# KiCad board ben-eater-computer.kicad_pcb (continued)
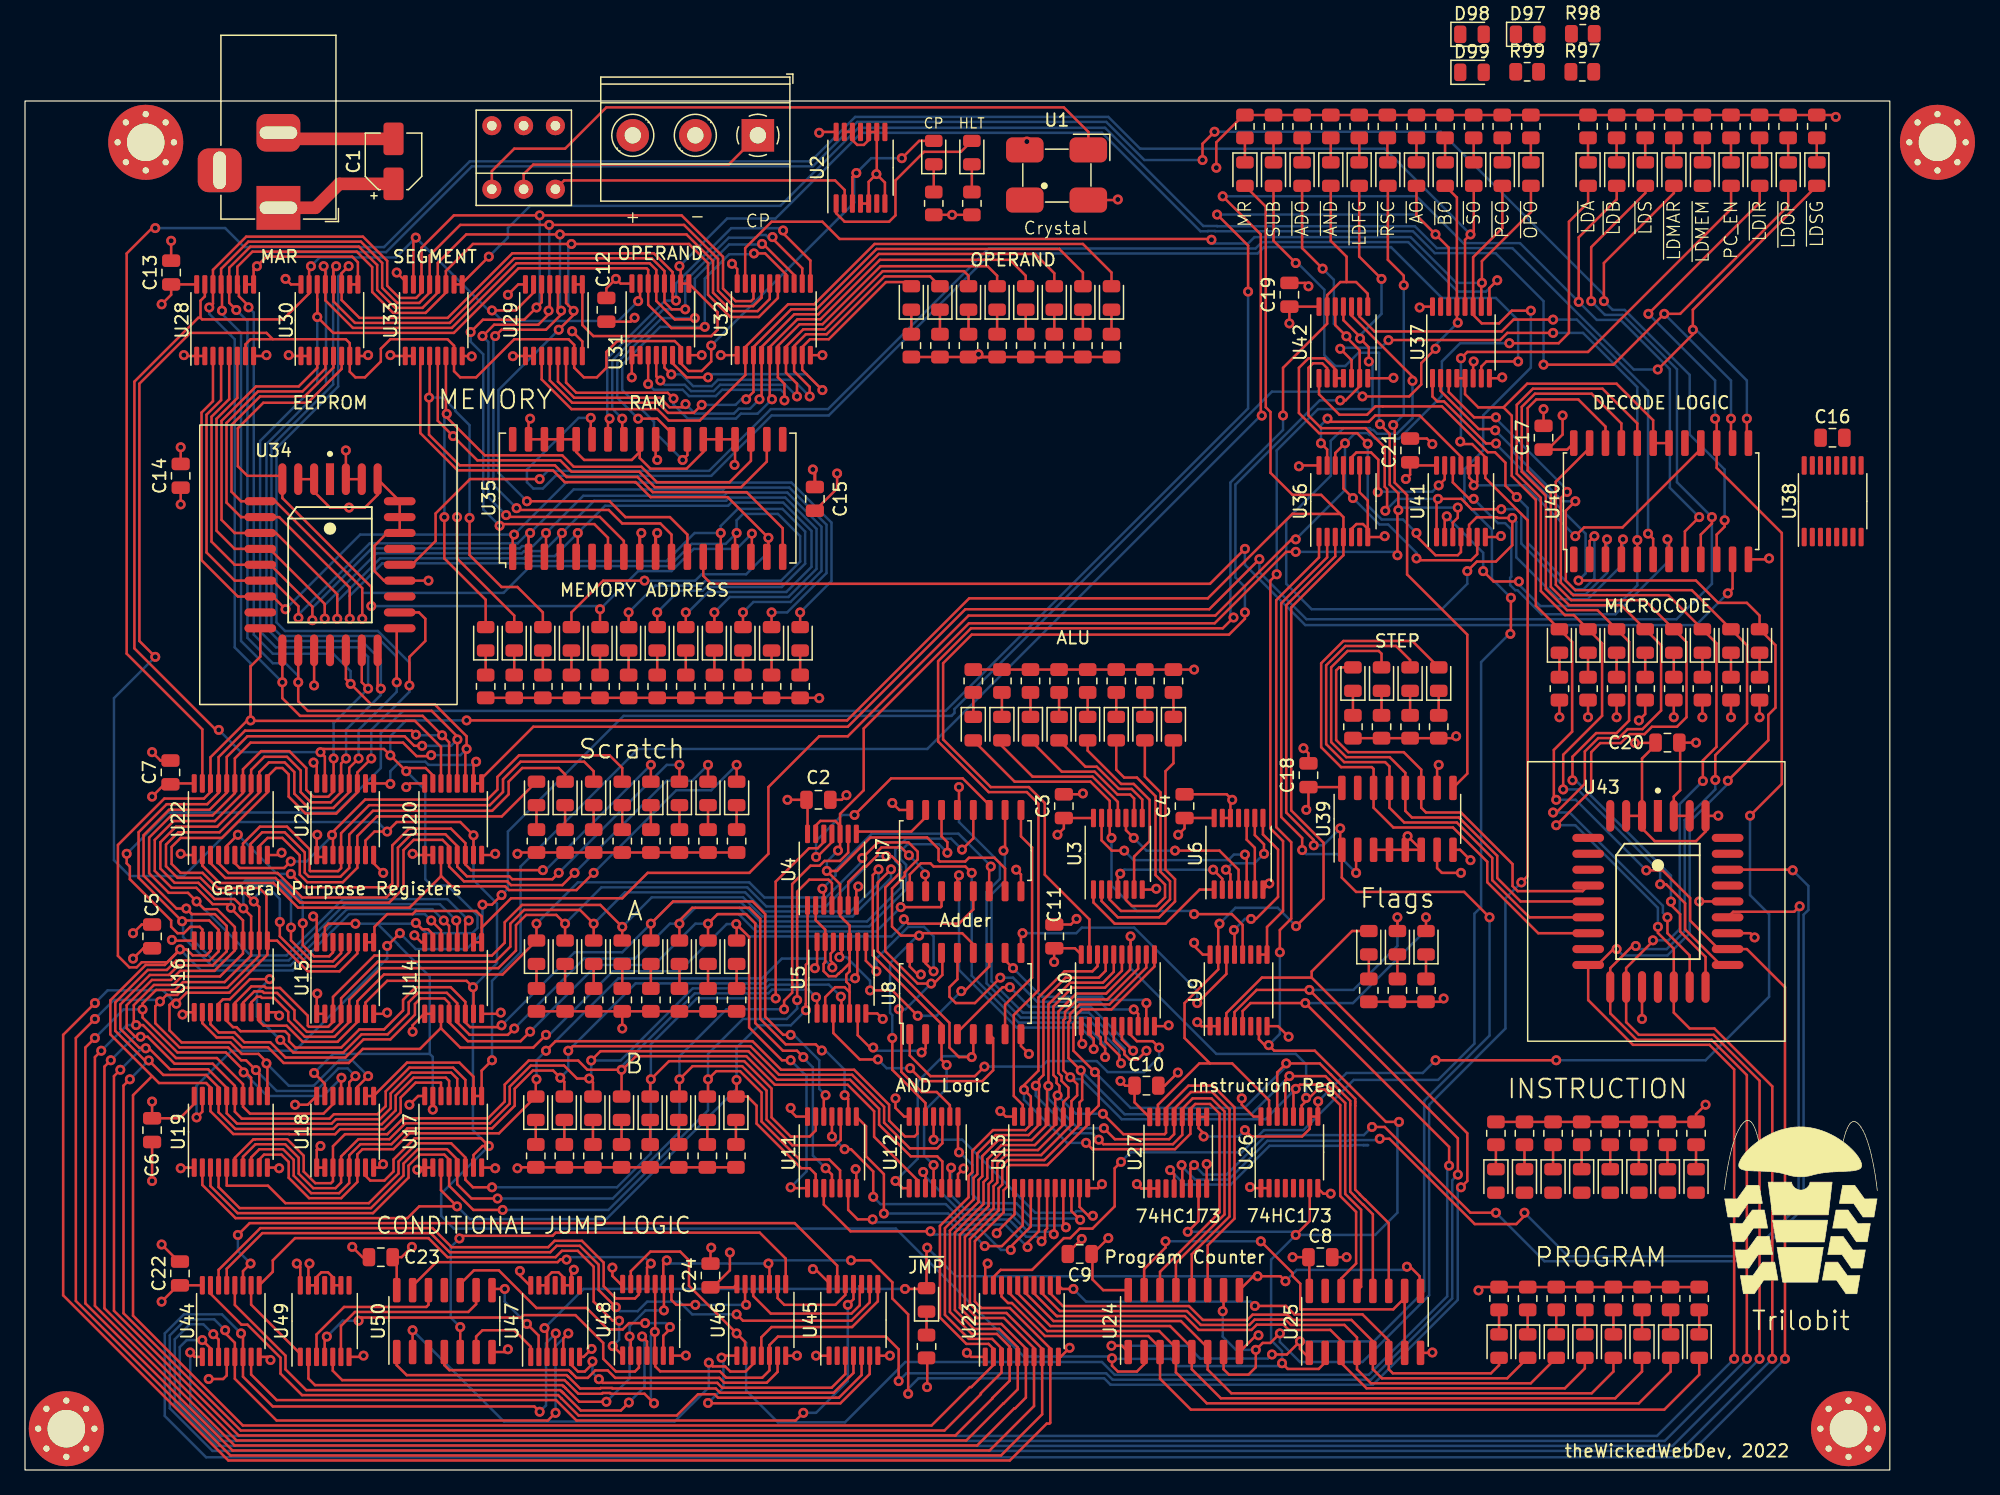
[diagram p0: board, top side]
## Routing (per net, layer and track width the routed paths; a pad name or vN(x,y) marks a point on that pad's centre or on a via; arc(x,y) is an arc through that point) (continued)
/Control Unit/EEPROM6: length 68.4
  Top w0.2: 135.57,40.39 132.73,43.23 132.73,45.32 131.21,46.84 v1(130.74,46.84) ; v1(122.98,54.43) 122.98,57.2 126.09,60.31 126.09,66.11 D101.2 123.84,68.36 123.12,68.36 121.2,70.29 121.2,77.74 119.27,79.67 119.27,85.18 120.56,86.47 126.13,86.47 128.91,83.69 U40.20
  Bottom w0.2: v1(122.98,54.43) 124.14,54.43 130.74,47.83 v1(130.74,46.84)
/Control Unit/STEP0: length 48
  Top w0.2: D77.2 110.92,66.29 105.41,66.29 103.63,64.52 103.63,57.8 105.22,56.21 107.68,56.21 107.82,56.07 U39.14 107.82,52.96 109.4,51.38 114.17,51.38 116.91,48.64 116.91,47 120.99,42.93 U43.11
/Control Unit/STEP1: length 44.4
  Top w0.2: U43.10 120.28,44.2 117.31,47.17 117.31,48.95 114.48,51.78 110.27,51.78 109.09,52.96 109.09,56.26 108.75,56.6 105.47,56.6 104.03,58.04 104.03,64.35 105.58,65.89 109.62,65.89 110.74,64.77 D76.2
/Control Unit/STEP2: length 40.4
  Top w0.2: D75.2 108.46,65.28 108.24,65.49 105.74,65.49 104.43,64.19 104.43,58.21 105.64,57 109.11,57 110.36,55.75 U39.12 110.36,52.71 110.89,52.18 114.64,52.18 117.71,49.11 117.71,47.33 119.58,45.47 U43.9
/Control Unit/STEP3: length 35.2
  Top w0.2: U43.8 124.54,46.29 119.34,46.29 118.93,46.7 118.93,48.45 114.81,52.58 112.01,52.58 111.63,52.96 U39.11 111.63,56.01 110.24,57.4 105.8,57.4 104.83,58.38 104.83,63.94 105.08,64.18 D74.2
/Control Unit/~{_AND}: length 78
  Top w0.2: U40.4 127.63,74.3 v1(127.76,74.42) ; U41.5 115.46,75.58 116.06,76.19 117.69,76.19 117.74,76.13 v1(118.91,76.13) 118.91,73.95 117.6,72.64 116.08,72.64 v1(115.32,71.88) ; v1(110.94,87.1) 110.94,87.44 106.06,92.31 U42.10
  Bottom w0.2: v1(110.94,87.1) 110.94,84.12 109.68,82.87 108.11,82.87 107.81,83.17 107.67,83.17 107.53,83.31 105.41,83.31 104.39,82.3 104.39,79.5 100.84,75.95 100.84,70.87 102.87,68.83 113.28,68.83 115.32,70.87 v1(115.32,71.88) ; v1(127.76,74.42) 127.76,72.45 124.95,69.63 122.59,69.63 119.23,72.99 119.23,75.81 v1(118.91,76.13)
/Control Unit/~{ADD}: length 38.8
  Top w0.2: U40.2 125.09,74.3 v1(125.48,74.68) ; v1(119.27,77.81) 118.36,78.71 118.36,80.55 117.53,81.39 116.95,81.39 113.29,85.05 108.56,85.05 108.55,85.06 107.97,85.06 107.3,84.39 105.09,84.39 103.46,86.02 U42.1
  Bottom w0.2: v1(125.48,74.68) 125.48,71.29 124.61,70.43 123.85,70.43 120.14,74.14 120.14,76.94 v1(119.27,77.81)
/Control Unit/~{CMP}: length 67.8
  Top w0.2: v1(119.44,71.05) 117.41,71.05 v1(116.59,71.88) ; v1(113.67,76.26) 113.51,76.1 U41.2 ; v1(128.91,74.36) 128.91,74.36 U40.5 ; v1(105.16,89.66) 106.06,88.76 U42.5 ; v1(122.17,90.93) 118.52,90.93 117.95,90.36 109.02,90.36 v1(109.01,90.35)
  Bottom w0.2: v1(122.17,90.93) 124.57,90.93 128.91,86.59 v1(128.91,74.36) 128.91,70.75 127.25,69.09 121.16,69.09 119.44,70.8 v1(119.44,71.05) ; v1(109.01,90.35) 108.41,89.75 105.24,89.75 v1(105.16,89.66) ; v1(113.67,76.26) 116.59,73.35 v1(116.59,71.88)
/Control Unit/~{LDA}: length 30.8
  Top w0.2: U40.7 131.44,74.3 v1(131.32,74.42) ; v1(115.82,77.66) 115.47,77.66 114.16,78.98 U41.12
  Bottom w0.2: v1(115.82,77.66) 117.77,75.72 118.34,75.72 118.83,75.22 118.83,71.44 118.74,71.34 118.74,70.76 119.15,70.36 119.33,70.36 121.25,68.43 127.17,68.43 131.32,72.59 v1(131.32,74.42)
/Control Unit/~{RESET_STEP_COUNTER}: length 52
  Top w0.2: v1(109.39,83.57) 109.51,83.45 109.51,78.96 110.5,77.97 110.5,71.62 115.32,66.8 115.32,55.69 U39.9 ; D78.2 108.97,96.77 110.24,95.5 v1(110.24,94.74)
  Bottom w0.2: v1(109.39,83.57) 110.24,84.41 v1(110.24,94.74)
/Control Unit/~{SUB}: length 49.6
  Top w0.2: v1(118.03,76.83) 115.66,76.83 115.25,77.24 115.25,77.25 114.84,77.66 v1(112.97,77.66) 112.86,77.55 U41.1 ; v1(108.76,76.71) 108.9,76.85 108.9,78.43 108.71,78.63 108.71,81.79 107.19,83.31 103.63,83.31 102.62,84.33 102.62,88.14 102.98,88.5 103.72,88.5 104.11,88.11 U42.2 ; U40.3 126.37,74.3 v1(126.49,74.42)
  Bottom w0.2: v1(118.03,76.83) 119.26,76.83 119.63,76.45 119.63,74.08 123.69,70.03 124.78,70.03 126.49,71.74 v1(126.49,74.42) ; v1(112.97,77.66) 109.71,77.66 v1(108.76,76.71)
/Control Unit/~{TEST}: length 40.7
  Top w0.2: v1(129.77,74.88) 130.18,74.47 U40.6 ; U42.9 106.71,92.23 107.89,91.05 118.07,91.05 119.01,91.99 v1(122.17,91.99)
  Bottom w0.2: v1(122.17,91.99) 124.07,91.99 129.77,86.3 v1(129.77,74.88)
/EEPROM0: length 247.8
  Top w0.2: v1(127.25,41.66) 127,41.66 125.73,40.39 ; U43.13 124.98,37.58 128.56,34 134.68,34 136.65,32.03 v1(136.65,8.89) ; v1(124.21,71.13) 133.59,71.13 135.38,69.34 137.67,69.34 138.68,68.33 D107.2 139.95,65.96 139.95,60.96 139.38,60.39 139.38,58.36 v1(136.14,55.12) ; v1(13.21,9.4) 13.56,9.05 U44.1 ; v1(117.61,82.09) 116.82,82.09 113.45,85.45 112.92,85.45 112.53,85.84 U37.1
  Bottom w0.2: v1(124.21,71.13) 124.78,71.7 124.78,74.88 117.61,82.04 v1(117.61,82.09) ; v1(13.21,9.4) 13.21,5.19 15.68,2.72 130.48,2.72 v1(136.65,8.89) ; v1(136.14,55.12) 136.14,54.86 133.1,51.82 133.1,42.93 131.32,41.15 127.76,41.15 v1(127.25,41.66)
/EEPROM1: length 247.8
  Top w0.2: v1(137.67,8.89) 137.67,31.58 134.85,34.4 128.87,34.4 126.75,36.52 U43.14 126.75,40.13 128.52,41.9 v1(128.78,41.9) ; v1(135.15,55.18) 135.15,57.17 137.68,59.71 137.68,65.95 D106.2 133.27,70.36 123.95,70.36 123.19,71.12 123.19,76.71 v1(123.95,77.47) ; v1(117.55,83.14) 117.45,83.24 116.23,83.24 113.18,86.29 U37.2 ; U44.2 14.83,9.73 v1(14.17,10.39)
  Bottom w0.2: v1(137.67,8.89) 131.1,2.32 15.51,2.32 12.37,5.46 12.37,9.83 12.93,10.39 v1(14.17,10.39) ; v1(123.95,77.47) 122.94,77.47 118.95,81.45 118.95,81.73 v1(117.55,83.14) ; v1(135.15,55.18) 135.15,54.43 132.7,51.98 132.7,43.09 131.26,41.66 129.03,41.66 v1(128.78,41.9)
/EEPROM2: length 246.8
  Top w0.2: v1(138.68,8.89) 138.68,31.13 135.01,34.8 129.03,34.8 128.02,35.81 U43.15 128.02,40.15 130.16,42.29 v1(130.16,42.36) ; v1(117.6,84.18) 115.86,84.18 113.83,86.2 U37.3 ; v1(123.29,78.22) 122.79,77.72 122.79,70.95 123.79,69.96 131.39,69.96 D105.2 135.24,66.11 135.24,57.82 134.15,56.74 v1(134.15,55.1) ; v1(15.05,10.86) 15.48,10.44 U44.3
  Bottom w0.2: v1(123.29,78.22) 123.29,78.39 117.6,84.07 v1(117.6,84.18) ; v1(130.16,42.36) 131.4,42.36 132.3,43.26 132.3,53.25 v1(134.15,55.1) ; v1(138.68,8.89) 131.72,1.92 15.35,1.92 11.98,5.3 11.98,10.45 13.17,11.65 14.27,11.65 v1(15.05,10.86)
/EEPROM3: length 282.1
  Top w0.2: v1(42.42,4.57) 41.8,3.96 20.11,3.96 16.78,7.3 U44.5 16.78,10.17 16,10.95 v1(16,11.18) ; v1(43.44,10.92) 43.04,10.52 U47.5 ; v1(139.7,8.89) 139.7,30.68 135.07,35.31 133.1,35.31 131.83,36.58 U43.18 131.83,41.68 130.56,42.95 v1(130.56,43.43) ; 125.09,81.73 122.39,79.03 122.39,70.79 123.62,69.56 129.5,69.56 D104.2 132.84,66.22 132.84,60.2 132.08,59.44 130.08,59.44 129.49,58.84 128.3,58.84 127.58,58.13 125.95,58.13 125.22,57.4 125.22,54.36 v1(122.43,51.56)
  Bottom w0.2: v1(42.42,4.57) 42.42,9.9 v1(43.44,10.92) ; v1(122.43,51.56) 123.95,51.56 130.56,44.95 v1(130.56,43.43) ; v1(139.7,8.89) 132.33,1.52 14.99,1.52 11.58,4.93 11.58,10.76 12.87,12.05 15.13,12.05 v1(16,11.18)
/EEPROM7: length 296.6
  Top w0.2: v1(140.72,8.89) 140.72,38.61 137.67,41.66 U43.22 ; 118.21,84.97 116.19,84.97 115.13,86.04 U37.5 U37.4 ; 118.21,84.97 120.1,86.87 127.25,86.87 130.18,83.95 U40.19 U40.18 ; 118.21,84.97 118.87,84.31 118.87,79.5 120.8,77.58 120.8,69.12 D100.2 123.7,66.22 123.7,59.04 122.24,57.58 122.24,53.79 v1(122.43,53.59) ; v1(42.44,10.92) 42.39,10.87 U47.4 ; v1(129.63,47.95) 130.92,47.95 133.13,45.74 133.13,43.94 135.41,41.66 ; v1(41.15,4.66) 40.73,5.08 19.81,5.08 17.43,7.46 U44.6 17.43,10.77 v1(17.27,10.92)
  Bottom w0.2: v1(140.72,8.89) 132.84,1.02 14.48,1.02 11.18,4.32 11.18,10.92 12.7,12.45 15.75,12.45 v1(17.27,10.92) ; v1(41.15,4.66) 41.66,5.17 41.66,10.14 v1(42.44,10.92) ; v1(122.43,53.59) 123.98,53.59 v1(129.63,47.95)
/GPR's/A0: length 101.1
  Top w0.2: v1(41.66,34.8) 40.64,33.78 34.8,33.78 33.29,35.29 33.26,35.29 ; v1(61.21,32.77) 60.52,32.77 57.9,35.39 57.9,42.63 v1(56.87,43.66) ; v1(61.21,22.61) 61.28,22.54 U11.1 ; D21.2 56.9,43.63 ; 33.26,35.29 U14.3 ; 33.26,35.29 33.2,35.29 31.58,33.67 27.01,33.67 25.89,32.55 20.68,32.55 19.42,33.81 17.37,33.81 16.58,34.59 15.32,34.59 14.18,35.73 U16.2 ; v1(70.27,44.04) 70.62,43.69 74.68,43.69 75.82,44.83 U7.5
  Bottom w0.2: v1(61.21,22.61) 62.48,23.88 62.48,31.5 v1(61.21,32.77) ; v1(41.66,34.8) 41.91,34.8 46.99,39.88 52.32,39.88 56.1,43.66 v1(56.87,43.66) 57.85,42.67 69.28,42.67 70.27,43.65 v1(70.27,44.04)
/GPR's/A1: length 102.2
  Top w0.2: v1(62.23,33.02) 61.72,33.53 60.6,33.53 58.38,35.74 58.38,43.73 57.66,44.45 55.37,44.45 v1(54.61,43.69) D20.2 ; U16.3 14.83,35.65 15.49,34.99 16.75,34.99 17.53,34.21 19.61,34.21 20.83,32.98 25.62,32.98 27.07,34.44 29.21,34.44 31.17,36.4 31.17,37.27 31.61,37.71 33.54,37.71 33.91,37.34 U14.4 33.91,35.79 35.41,34.29 39.62,34.29 v1(40.39,35.05) ; U7.3 73.28,45.09 73.2,45.01 v1(70.02,45.01) ; U11.4 64.52,23.62 v1(64.01,24.13)
  Bottom w0.2: v1(64.01,24.13) 62.99,25.15 62.99,32.2 62.23,32.96 v1(62.23,33.02) ; v1(40.39,35.05) 45.72,40.39 50.29,40.39 53.59,43.69 v1(54.61,43.69) 55.37,44.45 57.06,44.45 58.44,43.07 68.08,43.07 v1(70.02,45.01)
/GPR's/A2: length 113.2
  Top w0.2: U11.9 65.82,29.69 v1(65.53,29.97) ; D19.2 v1(52.32,43.69) 52.32,43.94 53.34,44.96 57.91,44.96 58.78,44.09 58.78,36.07 60.82,34.04 63.22,34.04 v1(63.71,33.55) ; U7.14 73.28,50.67 73.75,50.21 v1(73.75,49.36) ; v1(19.56,39.25) 17.99,39.25 16.38,37.64 15.83,37.64 15.48,37.29 U16.4 ; v1(20.41,34.39) 20.62,34.18 20.65,34.18 21.45,33.38 25.45,33.38 26.9,34.84 28.99,34.84 30.68,36.52 30.68,37.41 31.43,38.16 33.72,38.16 34.56,37.32 U14.5 34.56,35.79 35.55,34.8 38.61,34.8 v1(39.12,35.31)
  Bottom w0.2: v1(63.71,33.55) 63.99,33.55 65.53,32 v1(65.53,29.97) ; v1(20.41,34.39) 18.54,36.26 18.54,38.23 v1(19.56,39.25) ; v1(39.12,35.31) 44.7,40.89 48.77,40.89 51.56,43.69 v1(52.32,43.69) 53.59,44.96 57.12,44.96 58.61,43.47 67.49,43.47 70.45,46.43 70.45,48.4 69.97,48.87 69.97,49.45 70.56,50.04 73.07,50.04 v1(73.75,49.36)
/GPR's/A3: length 109.7
  Top w0.2: v1(38.1,35.56) 37.96,35.42 35.58,35.42 35.21,35.79 U14.6 35.21,37.44 34.04,38.61 31.24,38.61 30.23,37.59 30.23,36.75 28.71,35.23 26.74,35.23 25.29,33.78 21.62,33.78 21.11,34.29 21.11,34.77 20.79,35.09 17.23,35.09 16.91,35.41 16.63,35.41 16.13,35.92 U16.5 ; U11.12 63.87,29.83 v1(64.01,29.97) ; v1(74.92,49.61) 75.82,50.51 U7.12 ; D18.2 v1(50.04,43.69) 51.82,45.47 58.17,45.47 59.18,44.45 59.18,36.24 60.62,34.8 v1(61.21,34.8)
  Bottom w0.2: v1(64.01,29.97) 63.5,30.48 63.5,32.77 61.47,34.8 v1(61.21,34.8) ; v1(38.1,35.56) 43.94,41.4 47.75,41.4 v1(50.04,43.69) 51.74,45.39 57.25,45.39 58.77,43.87 67.32,43.87 70.05,46.59 70.05,48.23 69.57,48.7 69.57,49.62 70.45,50.49 74.04,50.49 v1(74.92,49.61)
/GPR's/A4: length 103.5
  Top w0.2: v1(69.24,48.03) 68.18,46.97 68.18,41.49 73.91,35.76 73.91,33.78 74.68,33.02 75.82,33.02 U8.5 ; U16.6 16.78,37.35 18.1,38.67 19.15,38.67 19.27,38.55 20.39,38.55 22.61,36.33 22.61,35.54 22.7,35.44 24.24,35.44 24.62,35.82 U15.3 24.62,37.83 27.93,41.14 37.33,41.14 38.35,42.16 38.35,43.8 39.74,45.19 46,45.19 v1(47.75,43.43) D17.2 ; U12.1 70.17,22.54 v1(69.6,23.11)
  Bottom w0.2: v1(75.69,33.02) 75.62,33.09 73.4,33.09 71.37,31.07 71.37,24.89 v1(69.6,23.11) ; v1(69.24,48.03) 69.24,47.34 66.17,44.27 58.94,44.27 57.42,45.79 50.11,45.79 v1(47.75,43.43)
/GPR's/A5: length 94.7
  Top w0.2: v1(73.69,32.39) 73.28,32.8 U8.3 73.28,35.66 67.78,41.16 67.78,47.57 v1(68.24,48.03) ; D16.2 v1(45.47,43.69) 44.37,44.79 39.9,44.79 38.8,43.69 38.8,41.85 37.59,40.64 28.19,40.64 25.27,37.72 U15.4 25.27,35.77 24.54,35.04 22.54,35.04 21.54,36.03 21.54,36.76 20.15,38.15 19.1,38.15 18.98,38.27 18.33,38.27 17.43,37.37 U16.7 ; U12.4 v1(72.64,24.38)
  Bottom w0.2: v1(73.69,32.39) 73.69,30.51 71.88,28.7 71.88,25.15 v1(72.64,24.38) ; v1(45.47,43.69) 47.97,46.19 57.58,46.19 59.11,44.67 66,44.67 68.24,46.91 v1(68.24,48.03)
/GPR's/A6: length 95.7
  Top w0.2: v1(69.86,36.84) 70.07,36.64 70.07,31.84 71.68,30.23 72.9,30.23 73.94,29.18 U12.9 ; v1(68.87,49.08) 69.3,49.08 69.96,48.43 69.96,47.97 69.94,47.96 69.94,47.74 68.78,46.58 68.78,41.48 71.36,38.9 v1(72.45,38.9) 72.65,38.9 73.34,39.59 73.34,41.29 ; U16.8 18.08,37.38 18.54,37.85 18.84,37.85 18.94,37.75 19.92,37.75 21.04,36.62 21.04,35.97 22.37,34.64 24.74,34.64 25.92,35.82 U15.5 25.92,37.61 28.45,40.13 37.85,40.13 39.25,41.54 39.25,43.57 40.07,44.39 42.48,44.39 v1(43.18,43.69) D15.2
  Bottom w0.2: v1(68.87,49.08) 68.08,49.08 67.22,48.22 67.19,48.22 64.03,45.07 59.27,45.07 57.75,46.59 46.08,46.59 v1(43.18,43.69) ; v1(72.45,38.9) 70.39,36.84 v1(69.86,36.84)
/GPR's/A7: length 94.6
  Top w0.2: U16.9 18.73,35.88 19.08,35.53 20.92,35.53 22.21,34.24 24.99,34.24 26.57,35.82 U15.6 26.57,37.49 28.7,39.62 38.18,39.62 D14.2 v1(40.89,43.69) ; v1(66.94,48.94) 68.19,50.18 70.64,50.18 71.37,49.45 71.37,48.82 70.34,47.79 70.34,47.51 69.32,46.49 69.32,43.46 70.04,42.73 v1(71.49,42.73) 71.68,42.93 74.93,42.93 75.82,42.04 ; U12.12 71.99,29.35 69.34,32 v1(69.34,34.54)
  Bottom w0.2: v1(69.34,34.54) 69.34,36.38 69.16,36.55 69.16,40.52 71.37,42.73 v1(71.49,42.73) ; v1(40.89,43.69) 44.2,46.99 57.91,46.99 59.12,45.78 64.04,45.78 66.94,48.68 v1(66.94,48.94)
/GPR's/B0: length 84.7
  Top w0.2: U11.2 63.22,23.65 62.74,24.13 62.06,24.13 58.49,27.7 58.49,29.14 57.77,29.86 D29.2 ; U4.1 62.57,40.53 62.44,40.4 62.44,37.29 62.42,37.27 62.42,36.78 v1(62.44,36.77) ; 56.9,29.92 56.9,31.18 v1(56.89,31.19) ; U19.2 14.18,22.79 16.83,20.14 30.58,20.14 31.52,21.08 v1(34.54,21.08) 33.26,22.37 U17.3
  Bottom w0.2: v1(34.54,21.08) 35.56,20.07 46.48,20.07 56.89,30.47 v1(56.89,31.19) 56.89,33.78 58.67,35.56 61.23,35.56 v1(62.44,36.77)
/GPR's/B1: length 96.8
  Top w0.2: U19.3 14.83,22.71 17,20.54 27.82,20.54 30.66,23.38 30.66,24.34 31.54,25.22 33.52,25.22 33.91,24.83 U17.4 33.91,22.73 35.84,20.8 v1(38.19,20.8) ; U11.5 65.17,23.96 64.3,24.83 61.92,24.83 58.89,27.86 58.89,30.18 57.17,31.89 55.26,31.89 v1(54.61,31.24) 54.61,29.92 ; U4.4 64.52,46.93 64.24,47.21 62.7,47.21 61.74,46.24 v1(61.74,37.58)
  Bottom w0.2: v1(38.19,20.8) 46.65,20.8 54.61,28.76 v1(54.61,31.24) 54.61,33.27 57.4,36.07 60.9,36.07 61.74,36.9 v1(61.74,37.58)
/GPR's/B2: length 100.5
  Top w0.2: 52.32,29.92 v1(52.32,31.24) 53.37,32.29 57.34,32.29 59.29,30.34 59.29,28.03 61.35,25.97 64.81,25.97 65.22,26.38 65.22,28.21 ; v1(37.78,21.71) 35.69,21.71 34.56,22.85 U17.5 34.56,24.83 33.74,25.65 31.41,25.65 30.26,24.5 30.26,23.55 27.66,20.94 17.16,20.94 15.48,22.62 U19.4 ; v1(60.69,36.85) 60.69,37.52 61.34,38.17 61.34,46.86 62.8,48.32 63.54,48.32 63.92,48.71 65.16,48.71 65.82,49.36 U4.9
  Bottom w0.2: v1(60.69,36.85) 56.09,36.85 52.32,33.08 v1(52.32,31.24) 52.32,27.04 47,21.71 v1(37.78,21.71)
/GPR's/B3: length 97.8
  Top w0.2: D26.2 49.98,31.19 v1(50.04,31.24) 51.49,32.69 57.5,32.69 59.69,30.51 59.69,28.19 61.21,26.67 62.74,26.67 63.22,27.15 U11.13 ; U4.12 63.87,50.21 63.38,49.72 62.69,49.72 60.02,47.05 v1(60.02,37.71) ; v1(37.34,22.61) 35.81,22.61 35.21,23.21 U17.6 35.21,24.99 34.07,26.12 31.32,26.12 29.86,24.67 29.86,23.71 27.49,21.34 20.82,21.34 19.42,22.73 16.13,22.73 U19.5
  Bottom w0.2: v1(37.34,22.61) 47.33,22.61 50.04,25.32 v1(50.04,31.24) 50.04,34.04 53.72,37.71 v1(60.02,37.71)
/GPR's/B4: length 93.5
  Top w0.2: D25.2 v1(47.69,32) 44.97,32 44.23,32.74 40.27,32.74 38.35,30.82 38.35,29.46 37.01,28.12 30.24,28.12 28.97,26.85 25.58,26.85 24.62,25.89 U18.3 24.62,23.1 24.46,22.94 23.21,22.94 22.28,23.86 22.28,25.13 20.96,26.45 18.27,26.45 16.78,24.96 U19.6 ; 47.69,31.95 48.84,33.09 57.67,33.09 59.96,30.81 65.77,30.81 67.89,28.69 67.89,26.64 71.34,23.19 U12.2 ; U5.1 63.33,37.72 v1(63.24,37.81)
  Bottom w0.2: v1(47.69,32) 47.69,32.26 53.55,38.11 59.43,38.11 59.73,38.41 62.63,38.41 v1(63.24,37.81)
/GPR's/B5: length 99.8
  Top w0.2: 73.34,22.59 73.34,24.67 72.93,25.08 70.81,25.08 68.29,27.61 68.29,28.88 65.96,31.2 60.12,31.2 57.84,33.49 46.01,33.49 v1(45.27,32.75) ; U5.4 65.28,37.8 v1(65.23,37.85) ; U19.7 17.43,25.05 18.43,26.05 20.8,26.05 21.88,24.97 21.88,23.7 23.04,22.54 24.82,22.54 25.27,22.99 U18.4 25.27,25.07 26.65,26.45 29.13,26.45 30.4,27.72 37.18,27.72 38.75,29.3 38.75,30.66 40.44,32.34 43.1,32.34 44.13,31.3 v1(45.1,31.3) 45.41,31 D24.2
  Bottom w0.2: v1(45.1,31.3) 45.27,31.47 v1(45.27,32.75) 47.62,32.75 53.39,38.51 59.26,38.51 59.56,38.81 64.27,38.81 v1(65.23,37.85)
/GPR's/B6: length 103.2
  Top w0.2: D23.2 43.12,31.05 42.23,31.94 40.6,31.94 39.15,30.49 39.15,29.13 37.34,27.32 30.57,27.32 29.3,26.05 26.82,26.05 25.92,25.16 U18.5 25.92,22.95 25.11,22.14 22.88,22.14 21.48,23.53 21.48,24.8 20.63,25.65 18.74,25.65 18.08,24.99 U19.8 ; v1(66.37,39.32) 66.55,39.5 66.55,42.2 ; 73.34,28.21 73.34,26.13 72.93,25.72 70.75,25.72 68.69,27.77 68.69,29.04 66.13,31.6 60.29,31.6 58,33.89 43.8,33.89 v1(43.43,33.53)
  Bottom w0.2: v1(66.37,39.32) 66.26,39.21 59.4,39.21 59.1,38.91 48.82,38.91 v1(43.43,33.53) 43.43,32 v1(42.8,31.37)
/GPR's/B7: length 97.6
  Top w0.2: v1(64.55,40.19) 64.63,40.27 64.63,40.51 64.41,40.72 64.41,41.3 64.63,41.51 U5.12 ; v1(40.89,31.24) 40.84,31.19 D22.2 37.9,26.92 30.73,26.92 29.46,25.65 26.98,25.65 26.57,25.25 U18.6 26.57,23.03 25.28,21.74 22.71,21.74 21.08,23.37 21.08,24.64 20.5,25.22 19.11,25.22 18.73,24.83 U19.9 ; v1(41.66,33.53) 42.42,34.29 58.17,34.29 60.45,32 66.29,32 69.09,29.21 69.09,27.94 70.36,26.67 71.12,26.67 71.34,26.89 U12.13
  Bottom w0.2: v1(40.89,31.24) 40.89,32.77 v1(41.66,33.53) 47.44,39.31 58.93,39.31 60.51,40.89 63.84,40.89 v1(64.55,40.19)
/GPR's/S0: length 53.7
  Top w0.2: U20.3 33.26,47.48 30.74,44.97 21.83,44.97 19.86,46.94 15.57,46.94 14.18,48.33 U22.2 ; D37.2 v1(56.9,56.39) ; v1(45.47,47.75) 44.09,46.37 38.69,46.37 38.39,46.67 34.1,46.67 33.26,47.51
  Bottom w0.2: v1(45.47,47.75) 52.07,54.36 54.86,54.36 v1(56.9,56.39)
/GPR's/S1: length 53.4
  Top w0.2: D36.2 v1(54.61,56.39) ; U22.3 14.83,48.52 16.01,47.34 20.03,47.34 22,45.37 29.11,45.37 30.26,46.52 30.26,49.58 31.08,50.39 33.38,50.39 33.91,49.87 U20.4 33.91,48.26 35.1,47.07 38.56,47.07 38.86,46.77 42.96,46.77 v1(43.94,47.75)
  Bottom w0.2: v1(54.61,56.39) 53.34,55.12 51.31,55.12 v1(43.94,47.75)
/GPR's/S2: length 50.1
  Top w0.2: v1(52.32,56.39) D35.2 ; U22.4 15.48,48.52 16.26,47.74 20.19,47.74 22.15,45.78 28.89,45.78 29.81,46.7 29.81,49.76 30.89,50.84 33.61,50.84 34.56,49.89 U20.5 34.56,48.25 35.33,47.47 38.72,47.47 38.95,47.24 42.16,47.24 v1(42.67,47.75)
  Bottom w0.2: v1(42.67,47.75) 51.31,56.39 v1(52.32,56.39)
/GPR's/S3: length 47.7
  Top w0.2: v1(21.26,47.67) 22.32,46.6 29.08,46.6 29.36,46.89 29.36,49.95 30.7,51.29 34.05,51.29 35.21,50.13 U20.6 35.21,48.42 35.66,47.97 v1(41.4,47.97) ; D34.2 v1(50.04,56.39) ; v1(17.02,50.8) 16.13,49.91 U22.5
  Bottom w0.2: v1(21.26,47.67) 20.15,47.67 v1(17.02,50.8) ; v1(50.04,56.39) 41.62,47.97 v1(41.4,47.97)
/GPR's/S4: length 39.4
  Top w0.2: U22.6 16.78,48.52 17.16,48.14 20.72,48.14 v1(21.24,48.66) ; U21.3 24.62,50.71 v1(24.55,50.78) 24.55,50.96 27.2,53.61 36.97,53.61 37.77,54.41 37.77,55.42 39.49,57.15 46.74,57.15 47.75,56.13 D33.2
  Bottom w0.2: v1(21.24,48.66) 22.5,48.66 24.55,50.71 v1(24.55,50.78)
/GPR's/S5: length 39
  Top w0.2: D32.2 45.47,55.88 44.7,56.64 39.62,56.64 38.22,55.24 38.22,54.22 37.16,53.16 27.51,53.16 25.27,50.93 U21.4 25.27,48.13 25.03,47.89 22.81,47.89 22.77,47.93 22.77,49.63 20.95,51.45 18.78,51.45 17.43,50.1 U22.7
/GPR's/S6: length 35.4
  Top w0.2: 18.03,49.22 18.03,50.07 18.96,51 20.76,51 22.37,49.39 22.37,47.77 22.69,47.44 25.21,47.44 25.92,48.15 U21.5 25.92,50.81 27.82,52.72 37.35,52.72 38.67,54.03 38.67,55.05 39.75,56.13 42.67,56.13 43.18,55.63 D31.2
/GPR's/S7: length 30.3
  Top w0.2: D30.2 38.12,52.27 28.14,52.27 26.57,50.7 U21.6 26.57,48.16 25.41,47 22.57,47 21.97,47.6 21.97,49.15 20.57,50.55 19.39,50.55 18.73,49.88 U22.9
/INSTRUCTION5: length 19.6
  Top w0.2: U27.4 91.88,23.66 v1(91.56,23.98)
  Bottom w0.2: 107.02,25.98 107.4,25.98 ; 107.02,25.98 107.35,25.98 ; 107.02,25.98 106.16,25.98 106.11,25.92 99.5,25.92 96.4,22.82 92.72,22.82 v1(91.56,23.98)
/INSTRUCTION6: length 89.4
  Top w0.2: 119.89,20.32 119.23,19.67 115.91,19.67 109.09,26.49 v1(108.32,26.49) ; v1(141.89,45.08) 141.45,44.64 136.58,44.64 U43.24 ; U27.5 92.53,24.33 v1(92.47,24.38)
  Bottom w0.2: v1(108.32,26.49) 108.21,26.38 105.86,26.38 105.81,26.32 99.34,26.32 96.23,23.22 93.56,23.22 92.47,24.31 v1(92.47,24.38) ; v1(141.89,45.08) 141.81,44.99 141.81,21.13 137.77,17.09 123.37,17.09 v1(119.89,20.57)
/INSTRUCTION7: length 91.7
  Top w0.2: U43.27 141.28,48.01 v1(141.33,47.96) ; U27.6 93.18,24.09 v1(93.47,24.38) ; v1(117.6,20.57) 115.57,20.57 108.71,27.43 v1(107.7,27.43)
  Bottom w0.2: v1(107.7,27.43) 107.04,26.78 99.23,26.78 96.07,23.62 94.23,23.62 v1(93.47,24.38) ; v1(141.33,47.96) 142.59,46.7 142.59,44.79 142.21,44.4 142.21,20.96 137.94,16.69 121.49,16.69 v1(117.6,20.57)
/Jumps/~{JA_JNBE_}: length 15.1
  Top w0.2: U50.9 36.07,13.26 35.44,12.64 26.38,12.64 25.26,11.52 U49.6
/Jumps/~{JA_JNBE}: length 39
  Top w0.2: v1(47.5,11.94) 46.99,11.94 45.47,13.46 45.47,16.26 44.2,17.53 42.93,17.53 42.42,17.02 33.78,17.02 32.26,18.54 21.59,18.54 19.81,16.76 19.81,15.85 U44.9 ; v1(46.99,9.91) 47.02,9.91 U48.1
  Bottom w0.2: v1(46.99,9.91) 47.5,10.41 v1(47.5,11.94)
/Jumps/~{JB_JNAE_JC_}: length 38.9
  Top w0.2: U46.8 60.82,16.9 58.75,18.98 42.43,18.98 42.18,18.72 34.94,18.72 v1(34.73,18.52) ; v1(34.8,11.43) U50.5
  Bottom w0.2: v1(34.73,18.52) 34.04,17.82 34.04,12.19 v1(34.8,11.43)
/Jumps/~{JB_JNAE_JC}: length 55.9
  Top w0.2: v1(17.02,18.8) 17.96,19.74 61.54,19.74 64.94,16.34 U45.13 ; U44.11 17.43,15.9 v1(18.03,16.51)
  Bottom w0.2: v1(18.03,16.51) 17.02,17.53 v1(17.02,18.8)
/Jumps/~{JBE_JNA}: length 59.9
  Top w0.2: v1(62.23,4.57) 61.62,3.96 44.09,3.96 42.46,5.59 20.12,5.59 18.08,7.63 U44.7 ; U45.11 66.24,13.66 v1(65.79,13.21)
  Bottom w0.2: v1(62.23,4.57) 63.25,4.57 65.79,7.11 v1(65.79,13.21)
/Jumps/~{JE_JZ_}: length 30.4
  Top w0.2: U46.6 60.17,7.85 59.3,6.98 55.9,6.98 55.52,7.37 47.19,7.37 46.59,7.96 45.59,7.96 44.99,7.37 44.1,7.37 43.95,7.51 43.72,7.75 43.72,7.75 43.6,7.86 43.6,7.86 43.48,7.99 43.47,7.99 33.92,7.99 33.53,8.38 U50.4
/Jumps/~{JE_JZ}: length 61.1
  Top w0.2: v1(47.24,13.02) 45.87,14.39 45.87,16.42 44.36,17.93 42.51,17.93 42,17.42 33.95,17.42 32.42,18.94 18.98,18.94 16.13,16.09 U44.13 ; U45.9 67.54,13.4 66.07,11.94 57.4,11.94 v1(56.9,12.45)
  Bottom w0.2: v1(56.9,12.45) 53.34,12.45 52.32,13.46 49.74,13.46 48.98,12.7 47.56,12.7 v1(47.24,13.02)
/Jumps/~{JNB_JAE_JNC_}: length 12.9
  Top w0.2: U50.12 32.26,13.21 32.09,13.04 25.51,13.04 23.31,10.84 U49.3
/Jumps/~{JNB_JAE_JNC}: length 7.1
  Top w0.2: 22.01,9.29 18.08,13.22 U44.10
/Jumps/~{JNE_JNZ_}: length 22
  Top w0.2: v1(51.56,11.43) 51.56,11.26 51.03,10.74 U48.6 ; 34.8,14.87 35.89,15.96 37.88,15.96 40.89,12.95 44.9,12.95 46.62,11.24 47.79,11.24 48.29,11.75 v1(49.58,11.75)
  Bottom w0.2: v1(49.58,11.75) 51.25,11.75 v1(51.56,11.43)
/Jumps/~{JNE_JNZ}: length 45.1
  Top w0.2: U44.12 16.78,13.19 20.83,9.14 20.83,8.04 22.49,6.39 42.79,6.39 42.9,6.28 42.91,6.28 43.02,6.16 43.03,6.16 44.44,4.76 47.64,4.76 v1(48.28,5.4) ; v1(49.34,10.68) 49.73,10.28 U48.4
  Bottom w0.2: v1(49.34,10.68) 49.53,10.49 49.53,6.65 v1(48.28,5.4)
/Jumps/~{JNS_}: length 22
  Top w0.2: U48.11 49.73,16.21 v1(50.04,16.51) ; v1(43.3,16.83) 43.27,16.85 42.82,16.85 42.58,16.62 32.88,16.62 30.99,14.72
  Bottom w0.2: v1(43.3,16.83) 43.49,17.02 49.53,17.02 v1(50.04,16.51)
/Jumps/~{JNS}: length 41
  Top w0.2: U44.14 15.48,16.01 18.81,19.34 32.59,19.34 34.11,17.82 41.83,17.82 42.34,18.33 44.53,18.33 46.27,16.59 46.27,14.69 47.24,13.72 48.77,13.72 49.08,14.03 U48.12
/Jumps/~{JS_}: length 36.3
  Top w0.2: U46.3 58.22,8.48 57.61,7.87 56.39,7.87 55.98,8.29 54.97,8.29 v1(54.67,8.59) ; v1(30.99,11.18) U50.2
  Bottom w0.2: v1(54.67,8.59) 54.67,6.61 51.94,3.87 38.29,3.87 v1(30.99,11.18)
/Jumps/~{JS}: length 60.6
  Top w0.2: U44.15 14.83,14.1 17.31,11.62 17.79,11.62 20.43,8.98 20.43,7.71 22.15,5.99 42.62,5.99 42.88,5.73 42.88,5.73 44.26,4.36 52.11,4.36 53.81,6.06 55.13,6.06 55.41,5.78 64.82,5.78 65.08,5.78 66.89,7.59 U45.5
/Jumps/~{J}: length 40.5
  Top w0.2: U50.1 29.72,8.38 30.51,7.59 43.3,7.59 43.42,7.47 43.43,7.47 44.38,6.52 45.99,6.52 46.03,6.56 46.94,6.56 46.97,6.52 55.23,6.52 55.57,6.18 64.66,6.18 66.24,7.76 U45.4
/Memory/MAR0: length 84.4
  Top w0.2: v1(39.1,74.8) 38.99,74.69 U35.1 ; v1(61.98,68.58) D65.2 ; U28.3 15.03,85.47 14.11,84.56 14.11,72.76 17.02,69.85 U34.11 ; 19.81,69.85 v1(20.83,68.83)
  Bottom w0.2: v1(20.83,68.83) 26.79,74.8 v1(39.1,74.8) 43.26,78.96 61.28,78.96 64.48,75.76 64.48,71.09 v1(61.98,68.58)
/Memory/MAR1: length 85.9
  Top w0.2: 19.81,71.12 21.86,69.07 v1(21.86,68.14) ; U34.10 16.76,71.12 14.51,73.37 14.51,84.39 15.68,85.56 U28.4 ; U35.2 40.26,74.8 v1(40.39,74.93) ; D64.2 v1(59.69,68.58)
  Bottom w0.2: v1(59.69,68.58) 60.93,68.58 64.08,71.73 64.08,75.59 61.11,78.56 55.98,78.56 55.83,78.41 43.87,78.41 v1(40.39,74.93) 40.22,74.93 39.39,74.1 27.56,74.1 21.86,68.4 v1(21.86,68.14)
/Memory/MAR2: length 86.7
  Top w0.2: v1(57.4,68.58) D63.2 ; U28.5 16.33,85.64 14.91,84.23 14.91,74.24 16.76,72.39 U34.9 ; v1(41.66,74.93) 41.66,73.15 ; v1(22.97,67.96) 22.97,69.03 19.62,72.39
  Bottom w0.2: v1(57.4,68.58) 58.24,69.41 61.2,69.41 63.68,71.89 63.68,75.43 60.95,78.16 56.15,78.16 55.89,77.91 44.63,77.91 v1(41.66,74.93) 40.61,73.88 39.74,73.88 39.56,73.7 27.73,73.7 22.97,68.95 v1(22.97,67.96)
/Memory/MAR3: length 87.1
  Top w0.2: v1(55.12,68.58) D62.2 ; 16.98,89.09 16.98,85.73 15.31,84.06 15.31,75.11 16.76,73.66 U34.8 ; v1(23.96,68.08) 23.96,69.25 19.56,73.66 ; U35.4 42.8,74.8 v1(42.93,74.93)
  Bottom w0.2: v1(23.96,68.08) 23.96,69.18 28.09,73.3 39.72,73.3 39.9,73.48 41.48,73.48 v1(42.93,74.93) 45.5,77.51 56.06,77.51 56.31,77.76 60.78,77.76 63.28,75.26 63.28,72.06 61.04,69.81 56.35,69.81 v1(55.12,68.58)
/Memory/MAR4: length 92.9
  Top w0.2: D61.2 v1(52.83,68.58) ; U30.3 23.36,88.13 21.88,86.65 18.47,86.65 15.71,83.9 15.71,75.98 16.76,74.93 U34.7 20.07,74.93 24.96,70.03 v1(24.96,68.07) ; 44.2,73.15 v1(44.2,74.93)
  Bottom w0.2: v1(24.96,68.07) 24.96,69.47 28.4,72.9 39.89,72.9 40.07,73.08 42.35,73.08 v1(44.2,74.93) 46.37,77.11 56.22,77.11 56.48,77.36 60.62,77.36 62.88,75.1 62.88,72.22 60.87,70.21 54.64,70.21 53,68.58 v1(52.83,68.58)